# Altium PCB Control Panel PCB v3.PcbDoc (part 2 of 3)
Units mm, origin at the board's own origin, x right, y up, seen from the top; angles counter-clockwise.
Board outline 270.31 x 104.06 mm, 2 copper layers (Top Layer, Bottom Layer); 327 components, 215 nets, 925 pads, 350 vias.
Unrouted connection lines stored in the file: 137.
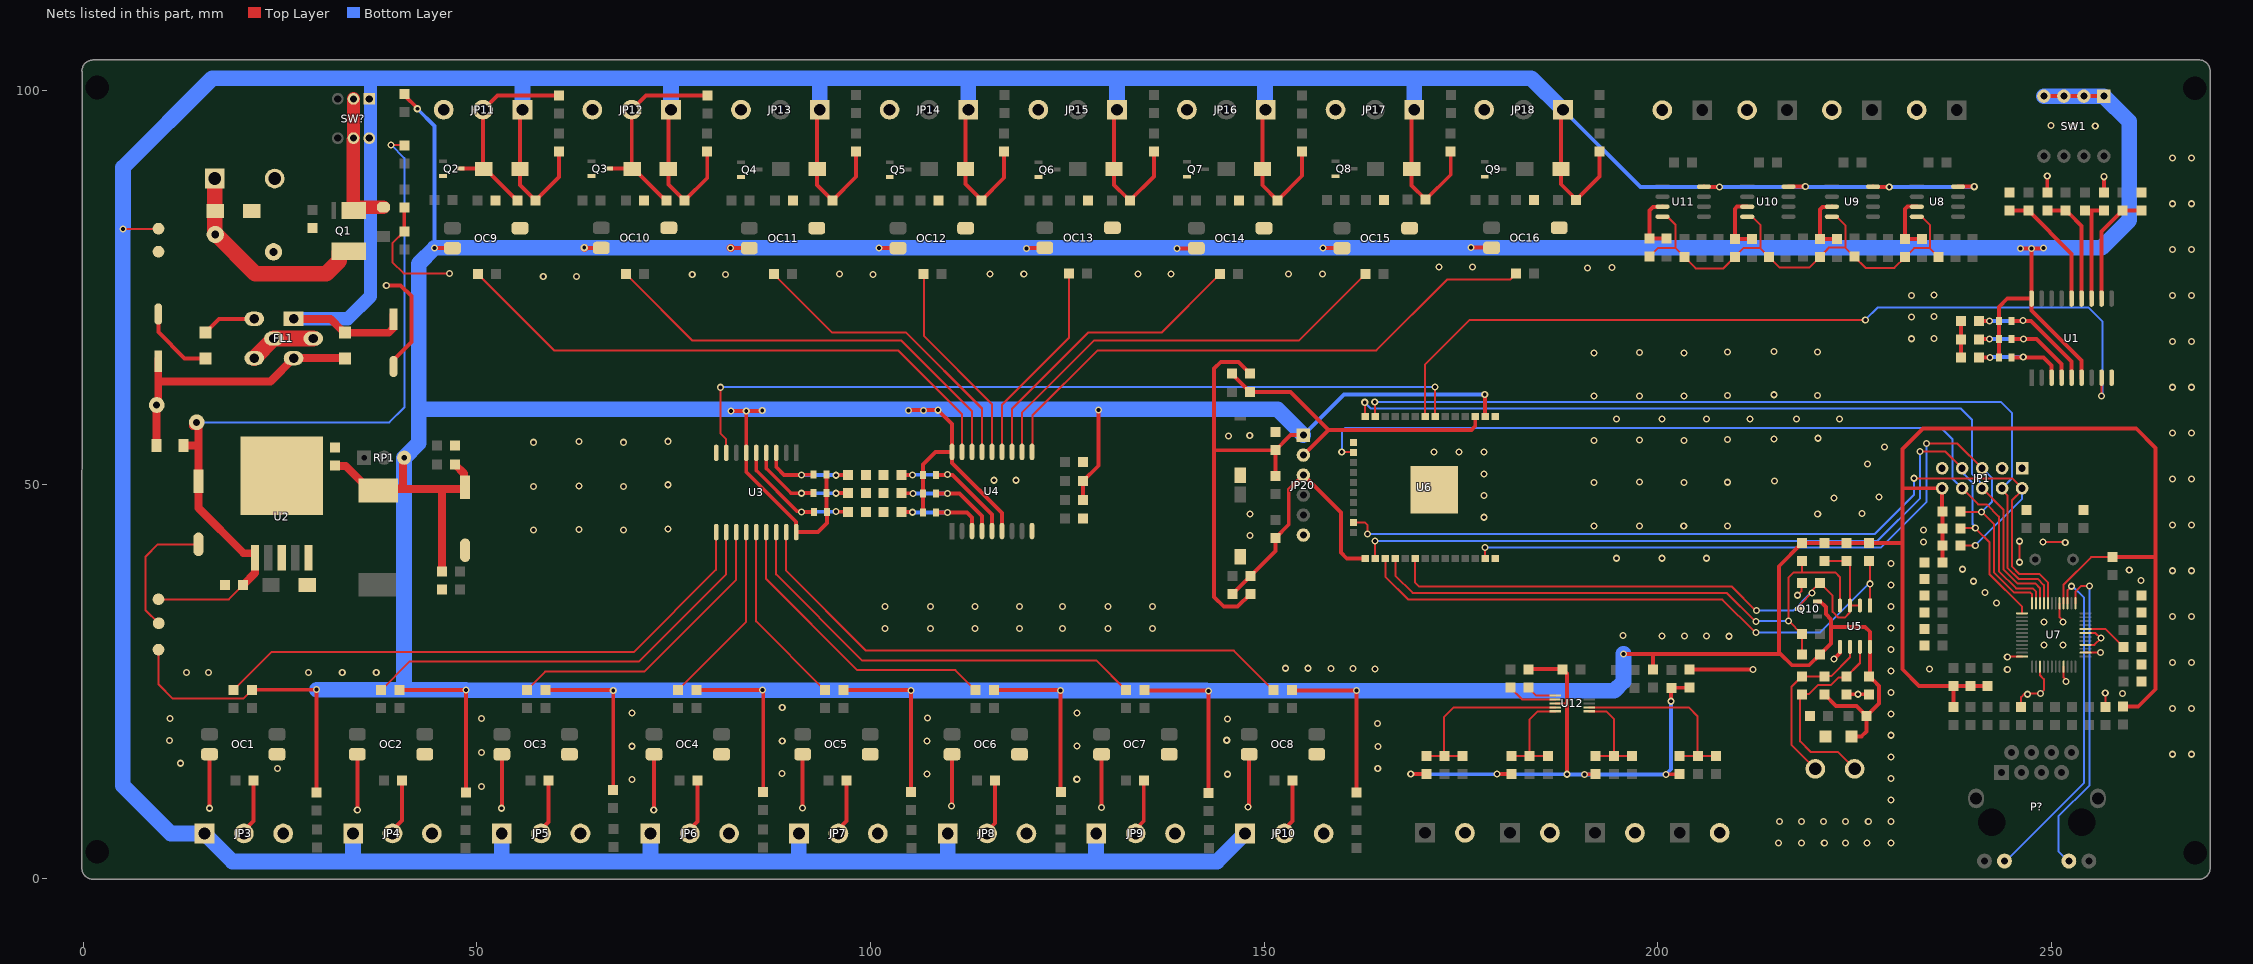
[diagram p2: the nets of this part, all layers, seen from the top]

## Via types
v1: diameter 0.9, hole 0.5, Top Layer to Bottom Layer, tented both sides, 350 vias

## Nets (pads, with @x,y where several pads share a name; then routed paths per layer and width w, separated by ;. In a path a pad name is that pad's centre, name@x,y a point inside that pad or via, vN(x,y) a via of type N, cw(c..) or ccw(c..) an arc to the next point about the centre after c; other vN are vias at no path point)
3.3V: C2.2 C3.2 C6.1 C7.1 C8.1 E2.1 FB3.1 JP1.10 JP20.1 L1.2 L2.1 LED3.1 LED13.1 OC9.4 OC10.4 OC11.4 OC12.4 OC13.4 OC14.4 OC15.4 OC16.4 Q10.2 R9.2 R10.2 R17.1 R18.1 R21.1 R22.1 R25.1 R26.1 R29.1 R30.1 R33.1 R34.1 R37.1 R38.1 R41.1 R42.1 R45.1 R46.1 R66.1 R67.1 R95.2 R96.2 R97.2 R98.2 R101.2 R102.1 R103.1 R106.2 R107.2 R112.2 R114.2 R116.2 R122.2 R123.2 R165.2 R167.2 R168.2 RP1.2 SB1.1 SB2.1 SB3.1 SB4.1 SB5.1 SB6.1 SB7.1 SB8.1 SB9.1 SW1.1 SW1.2 SW1.3 SW1.4 TP2.1 U1.6 U1.18 U3.6 U3.18 U4.6 U4.18 U5.8 U6.2 U7.28 | length 1286
  Top Layer w0.254: TP2.1@9.548,29.031 9.548,24.612 11.351,22.808 20.317,22.808 R17.1@21.41,23.901 ; TP2.1@9.573,29.006 TP2.1@9.573,29.641 ; U7.28@251.528,34.923 251.528,37.305 255.016,40.792 L2.1@257.759,40.792
  Top Layer w0.5: R17.1@21.41,23.901 21.448,23.939 29.601,23.939 v1(29.639,23.977) R21.1@29.639,10.896 ; R18.1@40.18,23.901 v1(48.588,23.901) 48.613,23.875 R22.1@48.613,10.87 ; LED3.1@40.815,99.593 40.815,99.408 42.418,97.806 v1(42.418,97.739) ; v1(44.6,80.035) OC9.4@46.889,80.035 ; R25.1@58.697,23.901 67.257,23.901 v1(67.308,23.85) R29.1@67.307,11.175 ; v1@63.65,80.06 OC10.4@65.794,80.06 ; R26.1@77.874,23.901 v1(86.281,23.901) 86.357,23.824 R30.1@86.357,10.921 ; v1@82.141,59.359 v1@86.281,59.359 ; v1@82.243,80.035 OC11.4@84.587,80.035 ; v1(84.199,59.352) U3.6@84.199,54.021 84.199,51.612 90.549,45.262 U3.18@90.549,43.971 93.296,43.971 94.442,45.117 SB6.1@94.442,46.533 94.417,46.558 94.417,51.283 94.391,51.308 SB4.1@94.391,51.268 ; R33.1@96.543,23.901 105.103,23.901 v1(105.154,23.85) R37.1@105.153,10.972 ; v1(101.064,80.06) 101.077,80.047 103.472,80.047 OC12.4@103.485,80.035 ; v1@104.738,59.444 v1(108.573,59.444) 110.335,57.683 U4.18@110.335,54.148 ; SB7.1@106.648,46.644 SB8.1@106.648,48.868 106.648,52.573 108.223,54.148 U4.18@110.335,54.148 ; U4.18@110.335,53.598 110.335,52.755 113.853,49.237 ; U4.18@110.335,53.644 U4.18@110.335,54.148 ; 113.878,49.262 113.853,49.237 ; R34.1@115.669,23.901 124.051,23.901 v1(124.102,23.85) 124.102,10.997 R38.1@124.153,10.947 ; U4.6@116.685,44.098 116.685,46.405 113.853,49.237 ; v1(119.809,79.984) 119.86,80.035 122.078,80.035 OC13.4@122.129,80.085 ; R67.1@126.998,48.064 R66.1@126.998,50.461 128.928,52.391 v1(128.928,59.461) ; R41.1@134.795,23.901 134.846,23.85 142.872,23.85 v1(142.923,23.799) R45.1@142.923,10.82 ; v1(138.91,79.984) 138.936,80.009 141.356,80.009 OC14.4@141.382,80.035 ; R106.2@148.201,64.085 146.704,65.582 144.473,65.582 143.635,64.744 143.635,54.254 ; R107.2@148.226,36.094 146.625,34.492 144.854,34.492 143.635,35.712 143.635,54.254 ; LED13.1@151.427,51.073 C8.1@151.427,54.363 ; R42.1@153.515,23.901 153.553,23.863 161.656,23.863 v1(161.694,23.824) 161.719,23.799 161.719,10.921 R46.1@161.745,10.896 ; JP20.1@154.957,56.287 153.351,56.287 C8.1@151.427,54.363 ; v1(157.478,80.06) 157.49,80.047 159.858,80.047 OC15.4@159.87,80.035 ; v1(176.274,80.111) 176.286,80.098 178.859,80.098 OC16.4@178.872,80.085 ; v1(178.003,61.443) 178.034,61.412 178.034,58.682 U6.2@178.064,58.651 ; v1(195.628,28.498) 199.362,28.498 ; FB3.1@199.362,26.491 199.362,28.498 ; 215.364,28.803 215.364,39.626 R98.2@218.292,42.553 R97.2@221.137,42.553 R96.2@223.982,42.553 R95.2@226.827,42.553 230.979,42.553 231.038,42.494 ; Q10.2@220.27,35.16 220.62,35.16 221.327,34.453 221.327,33.55 221.994,32.884 221.994,31.927 ; R101.2@221.137,23.367 222.61,21.894 225.222,21.894 R103.1@226.505,20.61 ; C7.1@224.61,17.982 225.829,17.982 226.505,18.659 R103.1@226.505,20.61 ; C6.1@226.827,25.653 226.932,25.758 U5.8@226.932,29.385 226.932,31.306 226.312,31.927 221.994,31.927 ; C6.1@226.932,25.591 226.932,25.548 227.335,25.145 227.378,25.145 228.09,24.434 228.09,22.194 R103.1@226.505,20.61 ; C3.2@236.144,40.107 R165.2@236.144,42.291 236.144,46.558 236.093,46.609 JP1.10@236.093,49.53 231.089,49.53 231.038,49.581 ; R167.2@237.566,21.768 237.541,21.793 R116.2@237.541,24.435 ; R112.2@241.884,24.435 R114.2@239.712,24.435 R116.2@237.541,24.435 ; SB1.1@243.304,66.166 SB2.1@243.304,68.503 SB3.1@243.304,70.789 243.304,72.565 244.368,73.63 U1.18@247.47,73.63 ; v1@246.124,80.009 v1(247.47,80.009) ; v1@248.809,80.009 v1(247.47,80.009) ; SW1.4@249.019,99.339 SW1.3@251.559,99.339 SW1.2@254.099,99.339 SW1.1@256.639,99.339 ; U1.6@253.82,63.503 253.82,65.76 247.47,72.11 U1.18@247.47,73.63 ; L2.1@257.759,40.792 263.22,40.792 ; R168.2@259.055,21.784 261.002,21.784 263.22,24.003 263.22,40.792 ; 143.635,54.254 143.744,54.363 C8.1@151.427,54.363 ; 199.362,28.498 215.593,28.498 217.041,27.05 219.21,27.05 R102.1@220.57,28.41 221.994,29.834 221.994,31.927 ; 231.038,42.494 231.038,49.581 ; 231.038,42.494 231.038,26.543 233.147,24.435 R116.2@237.541,24.435 ; 231.038,49.581 231.038,54.508 233.655,57.125 260.756,57.125 263.22,54.661 263.22,40.792 ; U1.18@247.47,73.63 v1(247.47,80.009)
  Top Layer w1: C2.2@31.983,52.396 32.02,52.359 33.337,52.359 36.444,49.252 L1.2@37.444,49.252 37.701,49.51 40.593,49.51 40.593,53.259 RP1.2@40.746,53.412 ; L1.2@38.65,49.459 45.641,49.459 ; R10.2@45.572,38.934 45.572,49.389 45.641,49.459 ; R9.2@47.223,52.523 48.343,51.403 48.343,49.815 E2.1@48.493,49.665 48.493,49.609 48.343,49.459 45.641,49.459 ; v1(63.625,80.085) v1@63.65,80.06 ; v1(82.217,80.06) v1@82.243,80.035
  Bottom Layer w0.5: v1(42.418,97.739) 44.619,95.538 v1@44.619,80.054 ; v1(44.6,80.035) v1@44.638,80.073 ; JP20.1@154.957,56.287 160.113,61.443 v1(178.003,61.443) ; v1@176.235,80.073 v1(176.274,80.111) v1@176.299,80.085
  Bottom Layer w1.5: v1(29.639,23.977) v1@29.677,23.939 ; 40.72,24.008 40.79,23.939 ; v1@48.55,23.939 v1(48.588,23.901) v1@48.613,23.875 ; v1@67.282,23.875 v1(67.308,23.85) v1@67.333,23.875 ; v1@86.256,23.875 v1(86.281,23.901) v1@86.307,23.875 ; v1@105.128,23.875 v1(105.154,23.85) ; v1@161.669,23.799 v1(161.694,23.824)
  Bottom Layer w2: v1@29.677,23.939 40.79,23.939 v1@48.55,23.939 ; 40.72,24.008 RP1.2@40.72,53.412 ; RP1.2@40.746,53.412 42.619,55.285 42.619,78.053 v1(44.6,80.035) ; 42.619,59.842 42.898,59.562 151.682,59.562 JP20.1@154.957,56.287 ; v1@44.638,80.073 63.625,80.073 82.217,80.073 101.064,80.073 119.809,80.073 138.91,80.073 157.478,80.073 v1@176.235,80.073 ; v1@48.613,23.875 v1@67.282,23.875 ; v1@67.333,23.875 v1@86.256,23.875 ; v1@86.307,23.875 v1@105.128,23.875 ; v1(105.154,23.85) v1(124.102,23.85) v1@142.612,23.85 ; v1(142.923,23.799) v1@161.669,23.799 ; v1(161.694,23.824) 194.457,23.824 195.628,24.996 v1(195.628,28.498) ; v1@176.299,80.085 256.387,80.085 259.867,83.566 259.867,96.11 SW1.1@256.639,99.339 SW1.2@254.099,99.339 SW1.3@251.559,99.339 SW1.4@249.019,99.339
  other v1: 82.243,59.327 86.231,59.403 104.798,59.403 106.728,59.428 246.073,80.002 248.994,80.028
5V: JP1.9
24V: D1.2 D2.2 D3.2 D4.2 D5.2 D6.2 D7.2 D8.2 E4.1 FB1.2 FL1.1 JP3.1 JP4.1 JP5.1 JP6.1 JP7.1 JP8.1 JP9.1 JP10.1 JP11.1 JP12.1 JP13.1 JP14.1 JP15.1 JP16.1 JP17.1 JP18.1 R50.2 R51.2 R58.1 R59.1 R60.2 R63.2 R70.1 R71.1 R72.2 R75.2 R83.1 R84.1 R85.2 R88.2 R93.1 R94.1 SW?.1 SW?.6 TP3.1 U8.8 U9.8 U10.8 U11.8 | length 746.5
  Top Layer w0.254: v1(5.039,82.486) 9.535,82.486 TP3.1@9.548,82.498
  Top Layer w0.5: JP11.1@55.776,97.611 55.46,97.295 D1.2@55.46,90.093 55.46,88.047 R58.1@57.427,86.08 60.424,89.077 R50.2@60.424,92.328 ; JP12.1@74.655,97.611 74.307,97.263 D2.2@74.307,90.093 74.307,88.123 R59.1@76.375,86.054 79.245,88.924 R51.2@79.245,92.328 ; JP13.1@93.535,97.611 93.204,97.281 D3.2@93.204,90.093 93.204,88.073 R70.1@95.171,86.105 98.168,89.102 R60.2@98.168,92.328 ; JP14.1@112.414,97.611 112.051,97.248 D4.2@112.051,90.093 112.051,88.199 113.709,86.541 113.709,86.49 113.792,86.407 R71.1@113.843,86.407 ; R71.1@114.094,86.105 116.965,88.975 R63.2@116.965,92.328 ; JP15.1@131.294,97.611 130.923,97.241 D5.2@130.923,90.093 130.923,88.072 132.531,86.465 R83.1@132.64,86.356 ; R83.1@132.916,86.08 135.989,89.153 R72.2@135.989,92.328 ; JP16.1@150.173,97.611 149.77,97.208 D6.2@149.77,90.093 149.77,88.022 R84.1@151.686,86.105 154.81,89.229 R75.2@154.81,92.328 ; JP17.1@169.053,97.611 168.718,97.277 D7.2@168.718,90.093 168.718,87.971 R93.1@170.508,86.181 173.683,89.356 R85.2@173.683,92.328 ; JP18.1@187.932,97.611 187.692,97.371 D8.2@187.692,90.093 187.692,88.149 189.224,86.617 189.224,86.541 R94.1@189.345,86.419 ; R94.1@189.609,86.156 192.58,89.128 R88.2@192.58,92.328 ; U11.8@205.839,87.832 205.849,87.823 207.804,87.823 v1(207.846,87.782) ; U10.8@216.592,87.832 216.602,87.842 218.676,87.842 v1(218.717,87.883) ; U9.8@227.336,87.832 227.346,87.823 229.369,87.823 v1(229.385,87.807) ; U8.8@238.131,87.832 v1(240.18,87.832)
  Top Layer w1: FL1.1@26.659,71.036 31.413,71.036 FB1.2@32.897,69.552 ; FB1.2@33.221,69.29 38.782,69.29 39.368,69.876 E4.1@39.368,71.553
  Bottom Layer w0.5: JP18.1@187.932,97.611 197.762,87.782 v1(207.846,87.782) ; v1@207.871,87.807 v1(229.385,87.807) v1@240.155,87.807
  Bottom Layer w1.7: FL1.1@26.954,71.054 33.587,71.054 36.477,73.944 36.477,94.374 36.477,99.272 36.477,101.625
  Bottom Layer w2: JP4.1@34.269,5.689 34.262,5.682 34.262,2.133 ; JP5.1@53.149,5.689 53.134,5.674 53.134,2.133 ; JP11.1@55.776,97.611 55.776,101.548 55.7,101.625 ; JP6.1@72.028,5.689 72.028,2.155 72.007,2.133 ; JP12.1@74.655,97.611 74.655,101.389 74.42,101.625 ; JP7.1@90.908,5.689 90.879,5.66 90.879,2.133 ; JP13.1@93.535,97.611 93.535,101.625 ; JP8.1@109.787,5.689 109.787,2.133 ; JP14.1@112.414,97.611 112.414,101.164 112.875,101.625 ; JP9.1@128.667,5.689 128.623,5.645 128.623,2.133 ; JP15.1@131.294,97.611 131.294,101.222 131.697,101.625 ; JP10.1@147.546,5.689 143.99,2.133 128.623,2.133 ; JP16.1@150.173,97.611 150.086,97.698 150.086,101.625 ; JP17.1@169.053,97.611 169.053,101.505 168.933,101.625 ; JP18.1@187.932,97.611 183.919,101.625 168.933,101.625 ; 34.262,2.133 53.134,2.133 ; 34.262,2.133 18.946,2.133 JP3.1@15.39,5.689 11.097,5.689 5.001,11.785 5.001,82.448 v1(5.039,82.486) 5.027,82.498 5.027,90.271 16.381,101.625 36.477,101.625 55.7,101.625 ; 53.134,2.133 72.007,2.133 ; 55.7,101.625 74.42,101.625 ; 72.007,2.133 90.879,2.133 ; 74.42,101.625 93.535,101.625 ; 90.879,2.133 109.787,2.133 ; 93.535,101.625 112.875,101.625 ; 109.787,2.133 128.623,2.133 ; 112.875,101.625 131.697,101.625 ; 131.697,101.625 150.086,101.625 ; 150.086,101.625 168.933,101.625
24VIN: JP2.1 Q1.5-8 RU1.2 RU2.2 | length 27.9
  Top Layer w2: JP2.1@16.68,88.874 16.68,83.006 16.68,81.945 21.842,76.783 30.868,76.783 32.503,78.419 32.503,79.519 32.603,79.619 Q1.5-8@33.703,79.619
24VSwitch: Q1.1-3 SW?.2 SW?.5 Z1.2 | length 17.9
  Top Layer w1.7: Q1.1-3@34.304,85.217 SW?.5@34.304,93.78 ; SW?.5@34.315,93.995 SW?.2@34.315,98.995 ; Q1.1-3@34.736,85.217 Z1.2@38.123,85.217
  Top Layer w2: Q1.1-3@34.304,85.217 34.304,84.853 Q1.1-3@34.338,84.819 Q1.1-3@34.736,85.217
485_A: JP19.2 R100.2 R101.1 U5.6 | length 22
  Top Layer w0.254: JP19.2@219.987,13.893 216.99,16.89 216.99,24.351 R100.2@218.292,25.653 R101.1@221.137,25.653 221.147,25.664 222.004,25.664 224.392,28.052 U5.6@224.392,29.385
485_B: JP19.1 R99.2 R100.1 U5.7 | length 25.5
  Top Layer w0.254: JP19.1@224.987,13.893 222.828,16.052 219.377,16.052 218.057,17.373 218.057,23.132 218.302,23.377 219.159,23.377 220.317,24.536 221.968,24.536 222.908,25.475 223.804,25.475 225.662,27.334 U5.7@225.662,29.385
485_DE: Q10.3 R96.1 R97.1 R105.2 U5.2 U5.3 U6.30 | length 78.3
  Top Layer w0.254: U6.30@169.113,40.694 169.113,37.579 169.634,37.059 209.347,37.059 212.412,33.994 v1(212.496,33.994) ; Q10.3@217.984,34.21 218.003,34.229 218.003,34.693 219.679,36.369 219.679,36.619 R105.2@220.57,37.51 221.078,37.002 222.197,35.884 222.197,33.832 222.933,33.095 223.721,33.095 224.336,33.71 224.336,34.579 U5.3@224.392,34.635 ; R97.1@221.137,40.267 R96.1@223.982,40.267 224.392,39.857 U5.3@224.392,34.635 ; U5.2@225.662,34.635 U5.3@224.392,34.635
  Bottom Layer w0.254: v1(212.496,33.994) 217.16,33.994 219.411,36.245 v1(219.555,36.245)
485_DI: R98.1 R102.2 R104.1 U5.4 U6.28 | length 77.1
  Top Layer w0.254: U6.28@166.634,40.617 U6.28@166.647,40.604 ; U6.28@166.647,40.588 166.647,38.445 168.846,36.246 208.712,36.246 212.344,32.614 v1(212.471,32.614) ; R102.2@218.284,28.41 R104.1@218.284,31.01 v1(216.609,32.686) 216.609,38.201 217.244,38.836 218.292,38.836 ; R98.1@218.292,40.267 218.292,38.836 ; U5.4@223.122,34.635 223.122,38.24 222.527,38.836 218.292,38.836
  Bottom Layer w0.254: v1(212.471,32.614) 212.507,32.65 216.573,32.65 v1(216.609,32.686)
485_RO: R95.1 U5.1 U6.27 | length 75
  Top Layer w0.254: U6.27@165.364,40.617 U6.27@165.377,40.604 ; U6.27@165.377,40.588 165.377,38.318 168.316,35.379 208.181,35.379 212.336,31.225 v1(212.471,31.225) ; R95.1@226.827,40.267 226.932,40.162 v1(226.932,37.399) U5.1@226.932,34.635
  Bottom Layer w0.254: v1(212.471,31.225) 220.615,31.225 226.788,37.399 v1(226.932,37.399)
/INT: JP1.5 R123.1 U6.37 U7.36 | length 100.4
  Top Layer w0.254: v1(178.054,41.986) 178.054,40.627 U6.37@178.064,40.617 ; v1(234.137,55.194) 238.049,55.194 JP1.5@241.173,52.07 ; R123.1@238.455,46.584 238.506,46.533 v1(241.122,46.533) 242.697,44.958 242.697,38.811 245.237,36.271 247.316,36.271 247.528,36.059 U7.36@247.528,34.923
  Bottom Layer w0.254: v1(178.054,41.986) 228.321,41.986 234.137,47.803 v1(234.137,55.194) ; v1(241.122,46.533) 242.443,47.854 242.443,50.8 JP1.5@241.173,52.07
/RESET: JP1.7 R122.1 U6.26 U7.37 | length 109.3
  Top Layer w0.254: v1(164.084,42.85) 164.084,40.627 U6.26@164.094,40.617 ; v1(233.299,54.178) 233.324,54.204 236.499,54.204 JP1.7@238.633,52.07 ; R122.1@238.455,44.45 238.481,44.475 v1(240.309,44.475) 242.113,42.672 242.113,38.633 246.253,34.493 U7.37@246.253,33.648
  Bottom Layer w0.254: v1(164.084,42.85) 227.889,42.85 233.299,48.26 v1(233.299,54.178) ; JP1.7@238.633,52.07 238.891,51.812 238.891,51.304 239.954,50.241 239.954,44.99 240.309,44.635 v1(240.309,44.475)
/SPI-SCS: JP1.2 R165.1 U6.23 U7.32 | length 121
  Top Layer w0.254: U6.23@161.334,45.191 162.784,45.191 163.119,44.856 v1(163.119,43.713) ; v1(232.537,50.8) 244.983,50.8 JP1.2@246.253,49.53 246.253,49.276 244.958,47.981 244.958,39.599 245.923,38.633 248.488,38.633 249.528,37.593 U7.32@249.528,34.923 ; R165.1@238.43,42.291 238.455,42.266 v1(240.309,42.266)
  Bottom Layer w0.254: v1(163.119,43.713) 227.508,43.713 232.537,48.743 v1(232.537,50.8) ; v1(240.309,42.266) 246.253,48.209 JP1.2@246.253,49.53
ACTLED: P?.10 U7.27 | length 42.3
  Top Layer w0.254: U7.27@252.028,34.923 252.028,36.585 v1(252.527,37.084)
  Bottom Layer w0.254: P?.10@244.018,2.108 244.094,2.108 254.127,12.141 254.127,35.611 252.654,37.084 v1(252.527,37.084)
ADDR: R147.2 U12.1 | length 3.9
  Top Layer w0.254: R147.2@183.538,24.231 184.57,23.199 U12.1@186.976,23.199
ADDswitch1: R1.2 R5.1 U1.11 | length 14.6
  Top Layer w0.5: U1.11@256.36,73.63 256.36,82.143 R1.2@259.001,84.784 R5.1@261.389,84.784
ADDswitch2: R4.2 R163.2 U1.12 | length 13.6
  Top Layer w0.5: R163.2@254.226,84.785 255.09,84.785 ; U1.12@255.09,73.63 255.09,84.785 ; R4.2@256.664,84.785 255.09,84.785
ADDswitch3: R3.2 R164.2 U1.13 | length 14.4
  Top Layer w0.5: R3.2@249.451,84.784 R164.2@251.838,84.784 ; R164.2@251.889,84.784 251.889,84.734 252.223,84.399 252.274,84.399 253.82,82.854 U1.13@253.82,73.63
ADDswitch4: R2.2 R?.2 U1.14 | length 15.8
  Top Layer w0.5: R2.2@244.676,84.784 R?.2@247.063,84.784 252.55,79.298 U1.14@252.55,73.63
ALERT: R150.1 U12.2 | length 6.3
  Top Layer w0.254: R150.1@181.252,24.205 182.759,22.699 U12.2@186.976,22.699
Din1: JP3.2 R15.2 | length 7.2
  Top Layer w0.5: JP3.2@20.39,5.689 20.39,6.02 21.638,7.269 R15.2@21.638,12.394
Din2: JP4.2 R16.2 | length 7.2
  Top Layer w0.5: JP4.2@39.269,5.689 39.269,6.137 40.46,7.327 R16.2@40.46,12.394
Din3: JP5.2 R23.2 | length 7.1
  Top Layer w0.5: JP5.2@58.149,5.689 58.149,6.23 59.078,7.159 R23.2@59.078,12.394
Din4: JP6.2 R24.2 | length 7.1
  Top Layer w0.5: JP6.2@77.028,5.689 77.028,6.23 78.026,7.228 R24.2@78.026,12.394
Din5: JP7.2 R31.2 | length 7.1
  Top Layer w0.5: JP7.2@95.908,5.689 95.908,6.23 96.924,7.246 R31.2@96.924,12.394
Din6: JP8.2 R32.2 | length 7.1
  Top Layer w0.5: JP8.2@114.787,5.689 114.787,5.947 115.821,6.982 R32.2@115.821,12.394
Din7: JP9.2 R39.2 | length 7.1
  Top Layer w0.5: JP9.2@133.667,5.689 133.667,6.23 134.694,7.257 R39.2@134.694,12.394
Din8: JP10.2 R40.2 | length 7.1
  Top Layer w0.5: JP10.2@152.546,5.689 152.546,6.23 153.566,7.25 R40.2@153.566,12.394
EMI_OUT: E3.1 F1.2 F2.2 FB1.1 FL1.2 | length 35.9
  Top Layer w1: F2.2@9.307,54.965 9.313,54.971 9.313,60.097 F1.2@9.319,60.103 9.511,60.295 9.511,61.002 9.523,61.014 E3.1@9.523,65.655 E3.1@9.523,65.951 ; 9.623,63.095 23.77,63.095 FL1.2@26.704,66.028 ; FL1.2@26.704,66.054 FB1.1@33.221,66.054
EN: JP20.2 R106.1 R108.2 U6.3 | length 39.8
  Top Layer w0.5: R106.1@145.915,64.085 146.3,63.7 146.3,63.658 R108.2@148.209,61.749 153.353,61.749 158.156,56.946 ; JP20.2@154.957,53.747 158.156,56.946 ; U6.3@176.794,58.651 176.794,57.441 176.299,56.946 158.156,56.946
ETH_CLK: JP1.4 U6.13 U7.33 | length 111.7
  Top Layer w0.254: v1(164.033,60.477) 164.033,58.712 U6.13@164.094,58.651 ; JP1.4@243.713,49.53 243.713,49.267 244.424,48.556 244.424,39.395 245.796,38.024 248.23,38.024 249.028,37.226 U7.33@249.028,34.923
  Bottom Layer w0.254: v1(164.033,60.477) 243.586,60.477 244.958,59.106 244.958,50.775 JP1.4@243.713,49.53
ETH_MISO: JP1.6 U6.14 U7.34 | length 108.1
  Top Layer w0.254: v1(162.763,60.452) 162.763,58.712 U6.14@162.824,58.651 ; JP1.6@241.173,49.53 243.865,46.838 243.865,39.218 245.643,37.44 247.904,37.44 248.528,36.815 U7.34@248.528,34.923
  Bottom Layer w0.254: v1(162.763,60.452) 163.551,59.665 238.481,59.665 239.878,58.268 239.878,51.359 240.915,50.321 240.915,49.788 JP1.6@241.173,49.53
ETH_MOSI: JP1.8 U6.16 U7.35 | length 109.6
  Top Layer w0.254: v1(159.842,54.153) 161.262,54.153 U6.16@161.334,54.081 ; JP1.8@238.633,49.53 240.679,47.484 241.746,47.484 243.307,45.923 243.307,38.989 245.491,36.805 247.599,36.805 248.028,36.376 U7.35@248.028,34.923
  Bottom Layer w0.254: v1(159.842,54.153) 159.842,56.757 160.26,57.175 236.017,57.175 237.414,55.778 237.414,50.749 JP1.8@238.633,49.53
GND: C16.2 C17.2 C18.2 C19.2 E4.2 FB2.2 FL1.3 JP2.2 JP3.3 JP4.3 JP5.3 JP6.3 JP7.3 JP8.3 JP9.3 JP10.3 JP11.3 JP12.3 JP13.3 JP14.3 JP15.3 JP16.3 JP17.3 JP18.3 JP22.2 JP23.2 JP24.2 JP25.2 JP26.2 JP27.2 JP28.2 JP29.2 OC1.2 OC2.2 OC3.2 OC4.2 OC5.2 OC6.2 OC7.2 OC8.2 Q2.2 Q3.2 Q4.2 Q5.2 Q6.2 Q7.2 Q8.2 Q9.2 R12.1 R53.1 R55.1 R62.1 R65.1 R74.1 R80.1 R87.1 R90.1 R131.2 R136.2 R141.2 R146.2 RU1.1 RU2.1 TP5.1 U8.4 U9.4 U10.4 U11.4 | length 139.6
  Top Layer w0.254: C19.2@198.93,78.942 200.048,80.06 202.207,80.06 ; U11.4@200.589,84.022 201.214,84.022 202.232,83.004 202.232,80.085 202.207,80.06 ; U10.4@211.342,84.022 211.967,84.022 213.002,82.988 213.002,80.111 212.951,80.06 ; U9.4@222.086,84.022 222.711,84.022 223.797,82.937 223.797,80.085 ; U8.4@232.881,84.022 233.506,84.022 234.567,82.962 234.567,80.085 234.516,80.035 ; R131.2@235.659,78.892 234.516,80.035 ; 202.207,80.06 R146.2@203.35,78.917 204.798,77.469 208.328,77.469 C18.2@209.776,78.917 210.919,80.06 212.951,80.06 ; 212.951,80.06 R141.2@214.094,78.917 215.466,77.545 219.2,77.545 221.536,79.882 221.536,79.937 221.685,80.085 223.797,80.085 ; 223.797,80.085 R136.2@224.94,78.942 226.362,77.52 230.02,77.52 C16.2@231.392,78.891 232.535,80.035 234.516,80.035
  Top Layer w0.5: FB2.2@15.492,69.316 17.23,71.054 FL1.3@21.704,71.054 ; v1(16.028,8.887) OC1.2@16.028,15.747 ; OC2.2@34.798,15.747 v1(34.798,8.683) v1@34.821,8.661 ; v1(38.481,75.311) 40.31,75.311 41.681,73.939 41.681,68.133 39.393,65.845 E4.2@39.393,64.995 ; v1(53.109,8.889) 53.162,8.943 OC3.2@53.162,15.747 ; v1@72.413,8.635 72.492,8.714 OC4.2@72.492,15.747 ; v1@91.311,8.864 v1(91.364,8.917) OC5.2@91.364,15.747 ; v1(110.284,9.194) 110.34,9.25 OC6.2@110.34,15.747 ; v1(129.309,8.991) 129.337,9.019 OC7.2@129.337,15.747 ; OC8.2@148.082,15.747 148.082,9.242 v1@148.13,9.194
  other v1: 72.452,8.675 147.927,9.042
GND_F: C1.1 C2.1 C3.1 C4.1 C5.1 C6.2 C7.2 C8.2 C9.1 C10.2 C11.1 C12.2 C14.2 C15.2 C22.2 C23.2 E1.2 E2.2 E3.2 FB2.1 FB4.1 FL1.4 FL1.5 FL1.6 JP1.1 JP1.3 JP20.6 LED1.2 LED12.2 OC1.3 OC2.3 OC3.3 OC4.3 OC5.3 OC6.3 OC7.3 OC8.3 OC9.2 OC10.2 OC11.2 OC12.2 OC13.2 OC14.2 OC15.2 OC16.2 R2.1 R3.1 R4.1 R5.2 R6.1 R7.1 R8.2 R11.1 R13.2 R14.2 R47.1 R48.1 R49.2 R76.1 R77.1 R78.2 R99.1 R105.1 R117.2 R118.2 R119.2 R120.2 R121.2 R166.1 R169.2 SW3.2 SW4.2 TP4.1 U1.9 U2.3 U2.5 U3.9 U4.9 U5.5 U6.1 U6.15 U6.38 U6.39 U7.3 U7.9 U7.14 U7.16 U7.19 U7.29 U7.48 VD1.1 | length 101.4
  Top Layer w0.254: TP4.1@9.573,32.384 7.897,34.061 7.897,40.842 9.46,42.405 E1.2@14.628,42.405 ; R14.2@40.765,82.143 39.266,80.644 39.266,78.257 40.688,76.834 v1(46.505,76.834) ; v1(217.726,35.94) 218.209,36.423 218.209,37.435 R105.1@218.284,37.51 ; v1(244.373,28.092) 244.427,28.146 246.251,28.146 U7.48@246.253,28.148 ; v1(245.923,40.132) v1(245.923,42.799) ; C10.2@246.146,21.768 246.146,23.007 246.609,23.47 v1(248.615,23.47) 249.022,23.876 249.022,25.298 248.528,25.792 U7.3@248.528,26.873 ; v1(248.92,42.723) 248.958,42.685 251.701,42.685 v1(251.739,42.647) ; U7.29@251.028,34.923 251.028,33.136 251.46,32.705 v1(251.46,32.53) ; U7.9@251.528,26.873 251.528,25.495 251.848,25.175 v1(251.848,25) ; U7.14@254.303,28.648 254.305,28.646 v1(256.189,28.646) ; U7.16@254.303,29.648 255.435,29.648 256.286,30.499 v1(256.286,30.531) 256.162,30.531 255.547,31.146 254.305,31.146 U7.19@254.303,31.148 ; v1(256.819,23.546) 256.819,21.818 C23.2@256.87,21.768
  Top Layer w0.5: E3.2@9.523,71.655 9.523,69.367 12.875,66.014 FB2.1@15.492,66.014 ; R14.2@40.765,82.143 R13.2@40.765,85.191 ; FB4.1@203.985,26.491 v1(212.087,26.491) ; v1(222.349,27.863) 223.113,28.627 223.113,29.376 U5.5@223.122,29.385 ; R99.1@223.982,23.367 v1(225.405,23.367) C6.2@226.827,23.367 ; R8.2@238.504,66.141 R6.1@238.503,70.763 ; R3.1@249.451,87.07 v1(249.451,89.179) ; R4.1@256.664,87.071 v1(256.664,89.102)
  Top Layer w2: FL1.5@21.704,66.054 FL1.6@24.204,68.554 FL1.4@29.204,68.554
  other v1: 215.339,4.495 218.234,4.495 221.13,4.495 223.848,4.495 226.566,4.495 229.591,4.495 215.415,7.219 218.26,7.219 221.054,7.219 223.848,7.219 226.718,7.219 229.591,7.219 229.591,9.942 50.569,11.658 69.695,12.547 126.185,12.572 229.591,12.666 145.311,13.207 107.186,13.258 88.745,13.283 24.686,13.918 164.412,13.944 12.342,14.604 229.591,15.39 265.354,15.748 267.767,15.748 50.569,15.95 164.437,16.738 69.67,16.763 126.236,16.814 88.771,17.424 107.16,17.449 10.97,17.5 145.235,17.525 229.591,18.161 164.361,19.659 145.336,20.218 50.569,20.268 10.996,20.294 107.211,20.345 229.591,20.885 69.695,21.005 126.236,21.005 265.354,21.575 267.767,21.575 88.771,21.665 246.964,23.368 259.029,23.47 229.591,23.608 28.598,26.11 32.891,26.11 37.209,26.11 13.129,26.136 15.898,26.136 229.591,26.332 244.373,26.492 234.467,26.568 164.056,26.593 158.468,26.618 161.262,26.644 152.702,26.669 155.573,26.669 265.354,27.402 267.767,27.402 229.591,29.056 249.047,29.616 251.46,29.616 209.04,30.733 200.531,30.759 203.35,30.759 206.144,30.759 195.578,30.809 101.826,31.698 107.617,31.698 113.256,31.698 118.92,31.698 124.381,31.698 130.147,31.698 135.786,31.698 229.591,31.779 249.047,32.53 265.354,33.229 267.767,33.229 101.826,34.492 107.617,34.492 113.256,34.492 118.92,34.492 124.381,34.492 130.147,34.492 135.786,34.492 229.591,34.503 243.002,34.976 241.529,36.297 229.591,37.227 240.106,37.719 261.341,37.821 265.354,39.056 267.767,39.056 259.867,39.167 238.684,39.243 229.591,39.95 194.739,40.64 200.505,40.64 206.144,40.64 233.756,42.697 148.207,43.509 233.731,44.221 57.173,44.238 68.603,44.238 62.964,44.314 74.267,44.373 191.869,44.733 197.66,44.733 203.276,44.733 208.83,44.733 265.354,44.883 267.767,44.883 177.925,45.846 148.207,46.278 220.294,46.279 225.933,46.304 222.352,48.311 228.092,48.438 177.925,48.606 57.173,49.758 68.603,49.758 62.964,49.834 74.267,49.978 191.869,50.266 203.299,50.266 208.83,50.291 197.66,50.342 214.782,50.47 115.695,50.545 118.489,50.545 265.354,50.71 267.767,50.71 177.925,51.366 226.619,52.603 171.536,54.127 174.73,54.127 177.925,54.127 228.752,54.762 57.173,55.371 68.603,55.371 62.964,55.447 74.267,55.498 191.869,55.591 203.299,55.591 197.66,55.668 208.83,55.727 214.755,55.803 220.351,55.884 145.463,56.184 148.156,56.209 265.354,56.537 267.767,56.537 194.739,58.337 200.505,58.337 206.144,58.337 211.7,58.337 217.599,58.337 223.074,58.337 191.869,61.232 197.66,61.232 203.299,61.232 208.83,61.332 220.292,61.332 214.755,61.408 265.354,62.364 267.767,62.364 191.869,66.725 203.299,66.725 197.66,66.801 208.83,66.852 220.292,66.852 214.755,66.928 265.354,68.191 267.767,68.191 232.23,68.52 235.075,68.571 232.23,71.28 235.075,71.331 265.354,74.017 267.767,74.017 232.23,74.04 235.075,74.091 58.418,76.428 62.659,76.428 77.341,76.656 81.582,76.656 100.302,76.682 96.06,76.733 115.187,76.758 119.454,76.758 133.957,76.758 138.174,76.758 153.083,76.758 157.401,76.758 191.056,77.52 194.155,77.545 172.21,77.622 176.451,77.622 265.354,79.844 267.767,79.844 265.354,85.671 267.767,85.671 265.354,91.498 267.767,91.498 255.547,95.529 252.728,95.554 249.934,95.605
GNDA: C20.1 C21.1 FB4.2 R147.1 R155.2 R156.2 R161.2 R162.2 U12.3 | length 72.4
  Top Layer w0.254: U12.3@186.976,22.199 188.466,22.199
  Top Layer w0.5: v1(168.603,13.233) R162.2@170.584,13.233 ; v1(179.55,13.233) R161.2@181.379,13.233 ; R147.1@183.512,26.568 187.856,26.568 C20.1@187.907,26.517 ; C20.1@188.11,26.568 188.11,26.314 C20.1@188.44,25.983 ; v1(188.466,13.207) 188.466,22.199 C20.1@188.466,25.933 ; v1(190.65,13.182) 190.675,13.207 192.072,13.207 R156.2@192.098,13.233 ; v1(201.013,13.182) 201.039,13.207 202.74,13.207 R155.2@202.766,13.233 ; v1(201.674,22.478) 201.686,22.491 201.686,24.167 C21.1@201.699,24.18 201.712,24.193 203.972,24.193 FB4.2@203.985,24.205
  Bottom Layer w0.5: v1(168.603,13.233) 168.628,13.207 v1(188.466,13.207) 188.478,13.194 190.637,13.194 v1(190.65,13.182) v1(201.013,13.182) 201.674,13.842 v1(201.674,22.478)
GP0MCPIN: R19.1 U3.10 | length 72.7
  Top Layer w0.254: R19.1@19.047,23.901 23.873,28.727 69.898,28.727 80.338,39.166 U3.10@80.338,44.219
GP0OUT: R52.2 U4.17 | length 73.9
  Top Layer w0.254: R52.2@50.133,76.737 59.84,67.03 103.503,67.03 111.631,58.902 U4.17@111.631,53.918
GP1MCPIN: R20.1 U3.11 | length 55.2
  Top Layer w0.254: R20.1@37.818,23.901 41.425,27.507 70.559,27.507 81.608,38.556 U3.11@81.608,43.894
GP1OUT: R54.2 U4.16 | length 56.8
  Top Layer w0.254: R54.2@69.066,76.6 69.092,76.6 69.441,76.25 69.441,76.224 77.366,68.3 103.884,68.3 112.901,59.283 U4.16@112.901,53.52
GP2MCPIN: R27.1 U3.12 | length 38.1
  Top Layer w0.254: R27.1@56.335,23.901 58.671,26.237 71.27,26.237 82.929,37.896 U3.12@82.929,43.591
GP2OUT: R61.2 U4.15 | length 39
  Top Layer w0.254: R61.2@87.924,76.487 87.949,76.487 88.212,76.225 88.212,76.199 95.07,69.341 104.468,69.341 114.145,59.664 U4.15@114.145,53.857
GP3MCPIN: R28.1 U3.13 | length 23.7
  Top Layer w0.254: R28.1@75.512,23.901 84.199,32.588 U3.13@84.199,43.971
GP3OUT: R64.2 U4.14 | length 26
  Top Layer w0.254: R64.2@106.754,76.178 106.754,68.884 115.415,60.223 U4.14@115.415,53.723
GP4MCPIN: R35.1 U3.14 | length 23.7
  Top Layer w0.254: U3.14@85.469,43.971 85.469,32.613 R35.1@94.181,23.901
GP4OUT: R73.2 U4.13 | length 26.4
  Top Layer w0.254: U4.13@116.685,53.784 116.685,60.121 125.194,68.63 R73.2@125.194,76.631
GP5MCPIN: R36.1 U3.15 | length 38.3
  Top Layer w0.254: U3.15@86.713,43.925 86.713,38.048 98.321,26.441 110.767,26.441 R36.1@113.307,23.901
GP5OUT: R79.2 U4.12 | length 38.8
  Top Layer w0.254: U4.12@117.955,53.783 117.955,59.613 127.658,69.316 136.954,69.316 143.863,76.225 143.889,76.225 144.01,76.346 R79.2@144.01,76.372
GP6MCPIN: R43.1 U3.16 | length 55.4
  Top Layer w0.254: U3.16@88.009,43.449 88.009,38.582 98.956,27.634 128.699,27.634 R43.1@132.433,23.901
GP6OUT: R86.2 U4.11 | length 55.4
  Top Layer w0.254: U4.11@119.216,54.123 119.216,59.147 128.395,68.325 154.43,68.325 R86.2@162.493,76.389
GP7MCPIN: R44.1 U3.17 | length 72.7
  Top Layer w0.254: U3.17@89.228,43.599 89.228,39.09 99.413,28.904 146.149,28.904 R44.1@151.153,23.901
GP7OUT: R89.2 U4.10 | length 73.9
  Top Layer w0.254: U4.10@120.546,53.731 120.546,58.775 128.826,67.055 164.234,67.055 173.226,76.047 181.252,76.047 R89.2@181.989,76.783
I2C2_A0: R76.2 SB9.2 U4.5 | length 17.2
  Top Layer w0.5: R76.2@103.934,51.231 v1(105.331,51.231) ; SB9.2@108.274,51.216 108.294,51.236 109.731,51.236 v1(109.751,51.256) 109.802,51.206 110.411,51.206 115.415,46.202 U4.5@115.415,44.098
  Bottom Layer w0.5: v1(105.331,51.231) 105.344,51.244 109.738,51.244 v1(109.751,51.256)
I2C2_A1: R77.2 SB8.2 U4.4 | length 14.8
  Top Layer w0.5: R77.2@103.934,48.92 103.96,48.894 105.331,48.894 v1(105.357,48.869) ; SB8.2@108.274,48.868 v1(109.776,48.869) 111.275,48.869 114.145,45.999 U4.4@114.145,44.098
  Bottom Layer w0.5: v1(105.357,48.869) v1(109.776,48.869)
I2C2_A2: R78.1 SB7.2 U4.3 | length 12.5
  Top Layer w0.5: R78.1@103.934,46.532 103.96,46.507 105.306,46.507 v1(105.331,46.481) ; SB7.2@108.274,46.481 108.286,46.468 109.764,46.468 v1(109.776,46.456) 112.215,46.456 112.875,45.795 U4.3@112.875,44.098
  Bottom Layer w0.5: v1(105.331,46.481) 105.344,46.468 109.764,46.468 v1(109.776,46.456)
I2C3_A0: R6.2 SB3.2 U1.5 | length 17.4
  Top Layer w0.5: R6.2@240.789,70.763 v1(242.136,70.764) ; SB3.2@244.93,70.789 247.394,70.789 252.55,65.633 U1.5@252.55,63.503
  Bottom Layer w0.5: v1@241.951,70.764 v1@246.167,70.764
  other v1: 246.352,70.814
I2C3_A1: R7.2 SB2.2 U1.4 | length 15.1
  Top Layer w0.5: R7.2@240.764,68.452 240.777,68.465 242.123,68.465 v1(242.136,68.478) ; SB2.2@244.93,68.503 246.428,68.503 248.079,68.503 251.28,65.303 U1.4@251.28,63.503
  Bottom Layer w0.5: v1(242.136,68.478) v1(246.428,68.478)
I2C3_A2: R8.1 SB1.2 U1.3 | length 12.8
  Top Layer w0.5: R8.1@240.79,66.141 240.802,66.154 242.174,66.154 v1(242.187,66.166) ; SB1.2@244.93,66.166 246.403,66.166 248.994,66.166 250.01,65.15 U1.3@250.01,63.503
  Bottom Layer w0.5: v1@242.049,66.192 v1@246.266,66.192
  other v1: 246.403,66.217
I2C_A0: R47.2 SB6.2 U3.5 | length 17.7
  Top Layer w0.5: U3.5@85.469,54.021 85.469,51.815 90.675,46.609 91.132,46.609 v1(91.209,46.532) SB6.2@92.817,46.533 ; v1(95.603,46.557) 95.616,46.545 97.089,46.545 R47.2@97.102,46.532
  Bottom Layer w0.5: v1(91.209,46.532) 91.222,46.545 95.59,46.545 v1(95.603,46.557)
I2C_A1: R48.2 SB5.2 U3.4 | length 15.2
  Top Layer w0.5: U3.4@86.739,54.021 86.739,52.069 89.914,48.894 v1(91.209,48.894) 91.222,48.907 92.753,48.907 SB5.2@92.766,48.92 ; v1(95.578,48.894) 95.59,48.907 97.089,48.907 R48.2@97.102,48.92
  Bottom Layer w0.5: v1(91.209,48.894) v1(95.578,48.894)
I2C_A2: R49.1 SB4.2 U3.3 | length 12.9
  Top Layer w0.5: U3.3@88.009,54.021 88.009,52.222 88.999,51.231 v1(91.209,51.231) 91.228,51.25 92.747,51.25 SB4.2@92.766,51.268 ; v1(95.578,51.18) 95.603,51.205 97.076,51.205 R49.1@97.102,51.231
  Bottom Layer w0.5: v1(91.209,51.231) 91.234,51.206 95.552,51.206 v1(95.578,51.18)
IN0: R158.1 R160.1 R162.1 U12.4 | length 24
  Top Layer w0.254: R162.1@170.584,15.519 R160.1@172.895,15.519 R158.1@175.207,15.519 ; R160.1@172.845,15.798 172.845,20.497 174.046,21.699 U12.4@186.976,21.699
IN1: R157.1 R159.1 R161.1 U12.5 | length 13
  Top Layer w0.254: R161.1@181.379,15.519 R159.1@183.716,15.519 R157.1@186.052,15.519 ; R159.1@183.665,15.519 183.665,20.141 184.722,21.199 U12.5@186.976,21.199
IN2: R152.1 R154.1 R156.1 U12.6 | length 12.7
  Top Layer w0.254: U12.6@191.276,21.199 193.453,21.199 194.435,20.218 R154.1@194.435,15.659 ; R156.1@192.098,15.519 R154.1@194.409,15.519 R152.1@196.72,15.519
IN3: R151.1 R153.1 R155.1 U12.7 | length 23.9
  Top Layer w0.254: U12.7@191.276,21.699 203.926,21.699 205.026,20.599 R153.1@205.026,15.519 ; R155.1@202.766,15.519 R153.1@205.077,15.519 R151.1@207.388,15.519
InputeINT: U3.8 U6.7 | length 103.1
  Top Layer w0.254: v1(80.947,62.356) 80.947,56.463 81.659,55.752 U3.8@81.659,54.021 ; v1(171.702,62.382) 171.702,58.664 U6.7@171.714,58.651
  Bottom Layer w0.254: v1(80.947,62.356) 80.96,62.369 171.689,62.369 v1(171.702,62.382)
IO0: JP20.3 R107.1 R109.2 R110.2 U6.25 | length 34.1
  Top Layer w0.254: U6.25@162.824,40.617 U6.25@162.837,40.63
  Top Layer w0.5: R107.1@145.94,36.094 R109.2@148.252,38.405 151.427,41.58 R110.2@151.427,43.226 153.109,44.908 153.109,49.358 JP20.3@154.957,51.207 159.738,46.426 159.738,41.35 160.471,40.617 U6.25@162.824,40.617
LINKLED: P?.11 U7.25 | length 40.8
  Top Layer w0.254: U7.25@253.028,34.923 253.03,34.925 253.03,36.393 253.772,37.135 v1(254.813,37.135)
  Bottom Layer w0.254: P?.11@252.193,2.108 250.85,3.451 250.85,7.849 254.838,11.836 254.838,37.109 v1(254.813,37.135)
LM_In+: C1.2 E1.1 F1.1 F2.1 LED2.1 TP1.1 U2.1 | length 102.7
  Top Layer w0.254: TP1.1@9.548,35.432 18.479,35.432 C1.2@20.299,37.252 ; v1(39.088,93.141) 40.739,93.141 LED2.1@40.815,93.065
  Top Layer w1: F2.1@12.736,54.965 14.577,54.965 14.628,54.914 ; F1.1@14.399,57.429 13.925,57.429 F1.1@14.399,57.903 14.399,57.633 14.628,57.404 14.628,54.914 ; C1.2@20.299,37.252 21.804,38.758 21.804,40.711 U2.1@21.803,40.712 21.803,41.254 21.778,41.279 20.364,41.279 14.628,47.015 E1.1@14.628,50.405 14.628,54.914
  Bottom Layer w0.254: F1.1@14.399,57.903 38.877,57.903 40.765,59.791 40.765,91.465 v1(39.088,93.141)
mcpINT: U1.8 U6.8 | length 108.5
  Top Layer w0.254: U6.8@170.444,58.651 170.444,65.264 176.096,70.916 v1(226.337,70.916) ; U1.8@256.36,63.877 256.361,63.876 256.361,61.241 v1(256.362,61.239)
  Bottom Layer w0.254: v1(226.337,70.916) 227.887,72.466 254.711,72.466 256.438,70.739 256.438,61.316 v1(256.362,61.239)
NetC14_1: C14.1 U7.20 | length 5.8
  Top Layer w0.254: U7.20@254.303,31.648 256.867,31.648 C14.1@259.152,29.362
NetC16_1: C16.1 R130.2 U8.3 | length 7.6
  Top Layer w0.5: U8.3@232.881,85.292 231.696,85.292 231.392,84.988 C16.1@231.392,81.177 R130.2@233.525,81.177
NetC17_1: C17.1 R135.2 U9.3 | length 7.6
  Top Layer w0.5: U9.3@222.086,85.292 222.077,85.283 220.892,85.283 220.571,84.962 C17.1@220.571,81.203 R135.2@222.73,81.203
NetC18_1: C18.1 R140.2 U10.3 | length 7.6
  Top Layer w0.5: U10.3@211.342,85.292 210.069,85.292 209.776,84.999 C18.1@209.776,81.203 R140.2@211.922,81.203
NetC19_1: C19.1 R145.2 U11.3 | length 7.6
  Top Layer w0.5: U11.3@200.589,85.292 200.58,85.283 199.378,85.283 198.93,84.835 C19.1@198.93,81.228 R145.2@201.096,81.228
NetD1_1: D1.1 JP11.2 LEDR1.2 Q2.3 R58.2 | length 26.6
  Top Layer w0.5: Q2.3@47.935,90.144 50.743,90.144 50.776,90.177 JP11.2@50.776,97.611 52.605,99.44 LEDR1.2@60.45,99.44 ; D1.1@50.86,90.093 51.085,90.093 54.713,86.465 54.756,86.465 55.098,86.123 R58.2@55.098,86.08
NetD2_1: D2.1 JP12.2 LEDR2.2 Q3.3 R59.2 | length 26.9
  Top Layer w0.5: Q3.3@66.807,90.144 D2.1@69.656,90.144 ; R59.2@74.089,86.054 73.704,86.439 73.585,86.439 69.932,90.093 D2.1@69.707,90.093 ; LEDR2.2@79.296,99.44 71.484,99.44 JP12.2@69.655,97.611 D2.1@69.655,90.144 ; D2.1@69.656,90.144 D2.1@69.707,90.093 ; D2.1@69.655,90.144 D2.1@69.707,90.093